# Altium PCB base-board_2.PcbDoc (part 3 of 3)
Units mil, origin at the board's own origin, x right, y up, seen from the top; angles counter-clockwise.
Board outline 3247.64 x 2805.12 mil, 4 copper layers (1 Top Layer, 2 Signal Layer, 3 GND Layer, 4 Bottom Layer), stack 61.811 mil thick; 193 components, 154 nets, 686 pads, 247 vias.
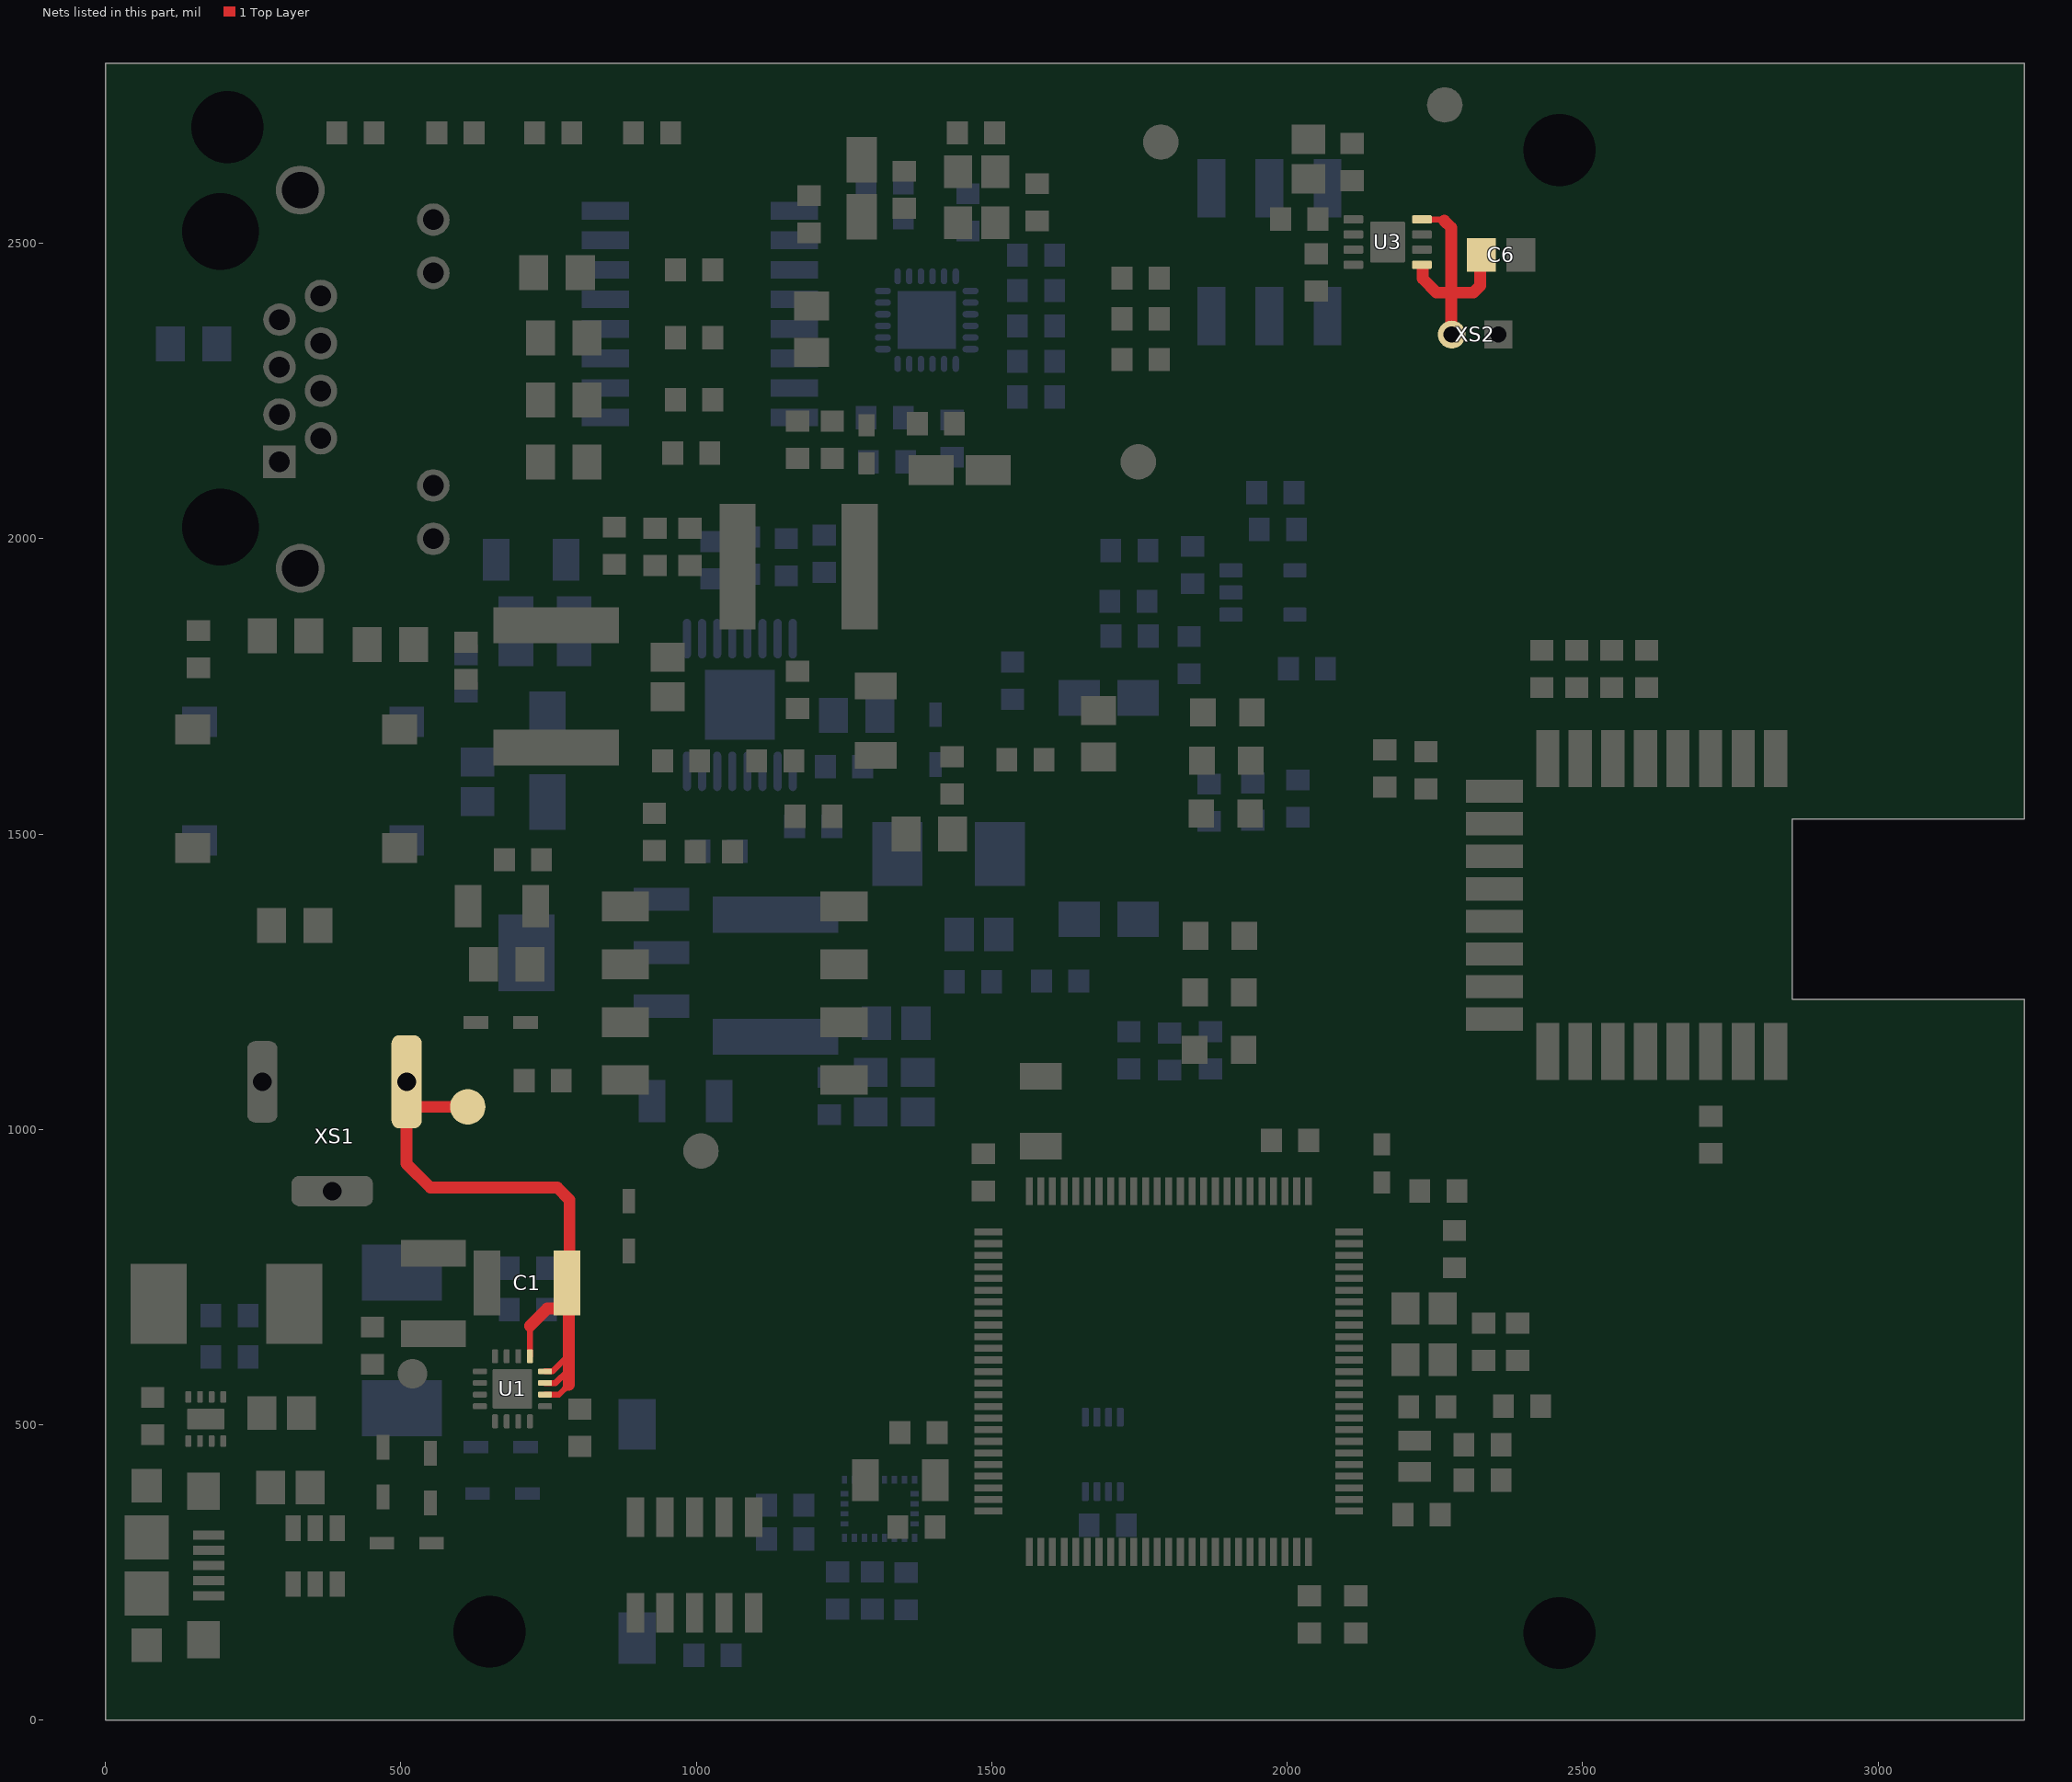
[diagram p5: the nets of this part, all layers, seen from the top]

## Via types
v1: diameter 17.72, hole 7.87, 1 Top Layer to 4 Bottom Layer, tented both sides, 215 vias
v2: diameter 17.72, hole 7.87, 1 Top Layer to 4 Bottom Layer, 13 vias
v3: diameter 27.56, hole 11.81, 1 Top Layer to 4 Bottom Layer, 11 vias
v4: diameter 23.62, hole 7.87, 1 Top Layer to 4 Bottom Layer, tented both sides, 4 vias
v5: diameter 27.56, hole 11.81, 1 Top Layer to 4 Bottom Layer, tented top, 4 vias

## Nets (pads, with @x,y where several pads share a name; then routed paths per layer and width w, separated by ;. In a path a pad name is that pad's centre, name@x,y a point inside that pad or via, vN(x,y) a via of type N, cw(c..) or ccw(c..) an arc to the next point about the centre after c; other vN are vias at no path point) (continued)
VCC_BAT: C6.2 U3.5 U3.8 XS2.2 | length 421.3
  1 Top Layer w10: U3.8@2229.33,2540.35 2263.78,2540.35 2265.75,2538.39
  1 Top Layer w20: U3.5@2229.31,2457.68 2229.31,2439.98 2252.95,2416.34 2276.57,2416.34 ; 2265.75,2538.39 2277.56,2526.57 2277.56,2416.34 ; XS2.2@2278.54,2345.47 2277.56,2346.46 2277.56,2415.35 2276.57,2416.34 ; C6.2@2327.76,2483.27 2326.77,2482.28 2326.77,2428.05 2315.06,2416.34 2277.56,2416.34 ; 2276.57,2416.34 2277.56,2416.34
VIN: C1.2 pad.2 U1.10 U1.11 U1.12 U1.13 XS1.1 | length 1106.6
  1 Top Layer w10: U1.13@718.5,616.14 718.5,667.32 ; U1.10@744.09,551.18 767.72,551.18 784.45,567.91 ; U1.11@744.09,570.87 761.81,570.87 784,593.06 ; U1.12@744.09,590.55 756.55,590.55 784,618 ; C1.2@785.43,740.16 785.43,722.44 789.37,718.5 C1.2@789.37,717.52
  1 Top Layer w20: XS1.1@509.84,1080.71 XS1.1@509.84,1053.76 ; pad.2@613.19,1038.39 525.22,1038.39 XS1.1@509.84,1053.76 ; 718.5,667.32 748.03,696.85 C1.2@762.8,696.85 ; 784.45,567.91 C1.2@784.45,704.72 ; C1.2@785.43,740.16 785.43,880.91 764.76,901.57 550.2,901.57 509.84,941.93 XS1.1@509.84,1053.76
pads on no net: T1.4 T1.5 T1.12 T1.13 U3.2 U3.6 U3.7 U4.1 U4.2 U4.3 U4.4 U4.5 U4.7 U4.15 U4.17 U4.18 U4.23 U4.26 U4.37 U4.42 U4.43 U4.44 U4.45 U4.46 U4.62 U4.63 U4.67 U4.81 U4.82 U4.83 U4.84 U4.85 U4.86 U4.87 U4.88 U4.92 U4.93 U4.94 U4.95 U4.96 U4.97 U4.98 U4.99 U6.1 U6.4 U6.11 U6.14 U7.14 U7.15 U7.16 U7.17 U7.18 U11.1 U11.2 XS4.9 XS4.10 XS5.MH1 XS5.MH2

## Polygon pours and split planes (outlines as drawn)
GND on 3 GND Layer "GND Layer-GND" (solid, remove dead copper, pour order 4): 0.39,0 0.39,1811.88 3.64,1808.64 10,1806 670.44,1809 665.43,2616.36 501.36,2616.36 23.64,2616.36 0.39,2593.12 0.39,2805.12 2845,2805.12 2845,0.09 820,0
Chassis on 3 GND Layer "GND Layer-GND" (solid, remove dead copper, pour order 4): 9,1828.73 22.73,1815 680,1815 680,2567.57 607.68,2639.89 440,2640 404.8,2667.1 9,2665 9,2633.63
GND on 4 Bottom Layer "GND Layer-GND" (solid, remove dead copper, pour order 6): 0.39,2805.12 0.39,0 2845,0 2845,2805.12
no net on 4 Bottom Layer (solid, pour order 14): 450,440
GND on 1 Top Layer "Top Layer-GND" (solid, remove dead copper, pour order 12): 0.39,2805.12 0.39,0 14081.49,0 2845.23,0 2844.85,2809.56

## Other copper
4 Bottom Layer:
  pour cut-out: 620,440
  pour cut-out: 690,370 690,440 600,440 595,445 595,370
  pour cut-out: 220,630
  pour cut-out: 215,715 215,660 220,655 260,655 260,650 255,645 195,645 195,715 200,715

## Silkscreen, mask and mechanical layers (free items; w line width, h text height)
Top Overlay:
  circle w10: c1118.11,665.35 r20.07
  lines w5: 551.18,578.74 566.93,578.74 578.74,566.93 578.74,543.31 602.36,519.68 602.36,468.5
  lines w8: 1007.87,665.35 1070.87,665.35 ; 1051.18,645.67 1070.87,665.35 ; 1051.18,685.04 1070.87,665.35 ; 1098.43,602.36 1118.11,622.05 ; 1118.11,555.12 1118.11,622.05 ; 1137.8,602.36 1118.11,622.05
  lines w10: 511.81,460.63 519.68,452.76 ; 1102.36,677.17 1106.3,677.17 1129.92,653.54 ; 1106.3,653.54 1129.92,677.17 1129.92,681.1 ; 2854.33,49.21 2854.33,1033.46 ; 2854.33,1722.44 2854.33,2755.91
  text "3V3 IN" at 1703.74,2716.54 h39.37
  text "3V3 BAT" at 2148.62,2654.53 h39.37
  text "RTLS Base Board 1.0" at 1956.69,2098.43 h50
  text "GND" at 1696.85,2043.31 h39.37
  text "VIN" at 576.77,957.68 h39.37
  text "5V POE" at 1060.04,943.9 h39.37
  text "z" at 1106.3,704.72 h40
  text "x" at 1011.81,681.1 h40
  text "y" at 1074.8,555.12 h40
  text "E5V" at 582.68,437.01 h32
Bottom Overlay:
  lines w5.91: 1381.89,2560.04 1402.56,2560.04 1411.42,2568.9 1411.42,2597.44
  text "bat" at 2047.24,2669.29 h39.37 r270
  text "in" at 1858.27,2665.35 h39.37 r270
  text "+" at 2255.91,2043.31 h39.37
  text "-" at 2342.52,2039.37 h39.37
Board:
  lines w10: 3248.03,1525.59 2854.33,1525.59 2854.33,1220.47 3247.64,1220.47 3247.64,0 0.39,0 0.39,2805.12 3248.03,2805.12 3248.03,1525.59 ; 3248.03,1525.59 3248.03,1525.59 ; 3248.03,1525.59 3248.03,1525.59

## Text inside footprints (layer, text, board x,y; h text height)
XS4: Top Overlay "2" at 1159,398.71 h40 r180; Top Overlay "1" at 1145,171 h40 r180; Top Overlay "9" at 862,176 h40 r180; Top Overlay "10" at 864,401 h40 r180